# Altium PCB BB.PcbDoc (part 2 of 6) (continued)
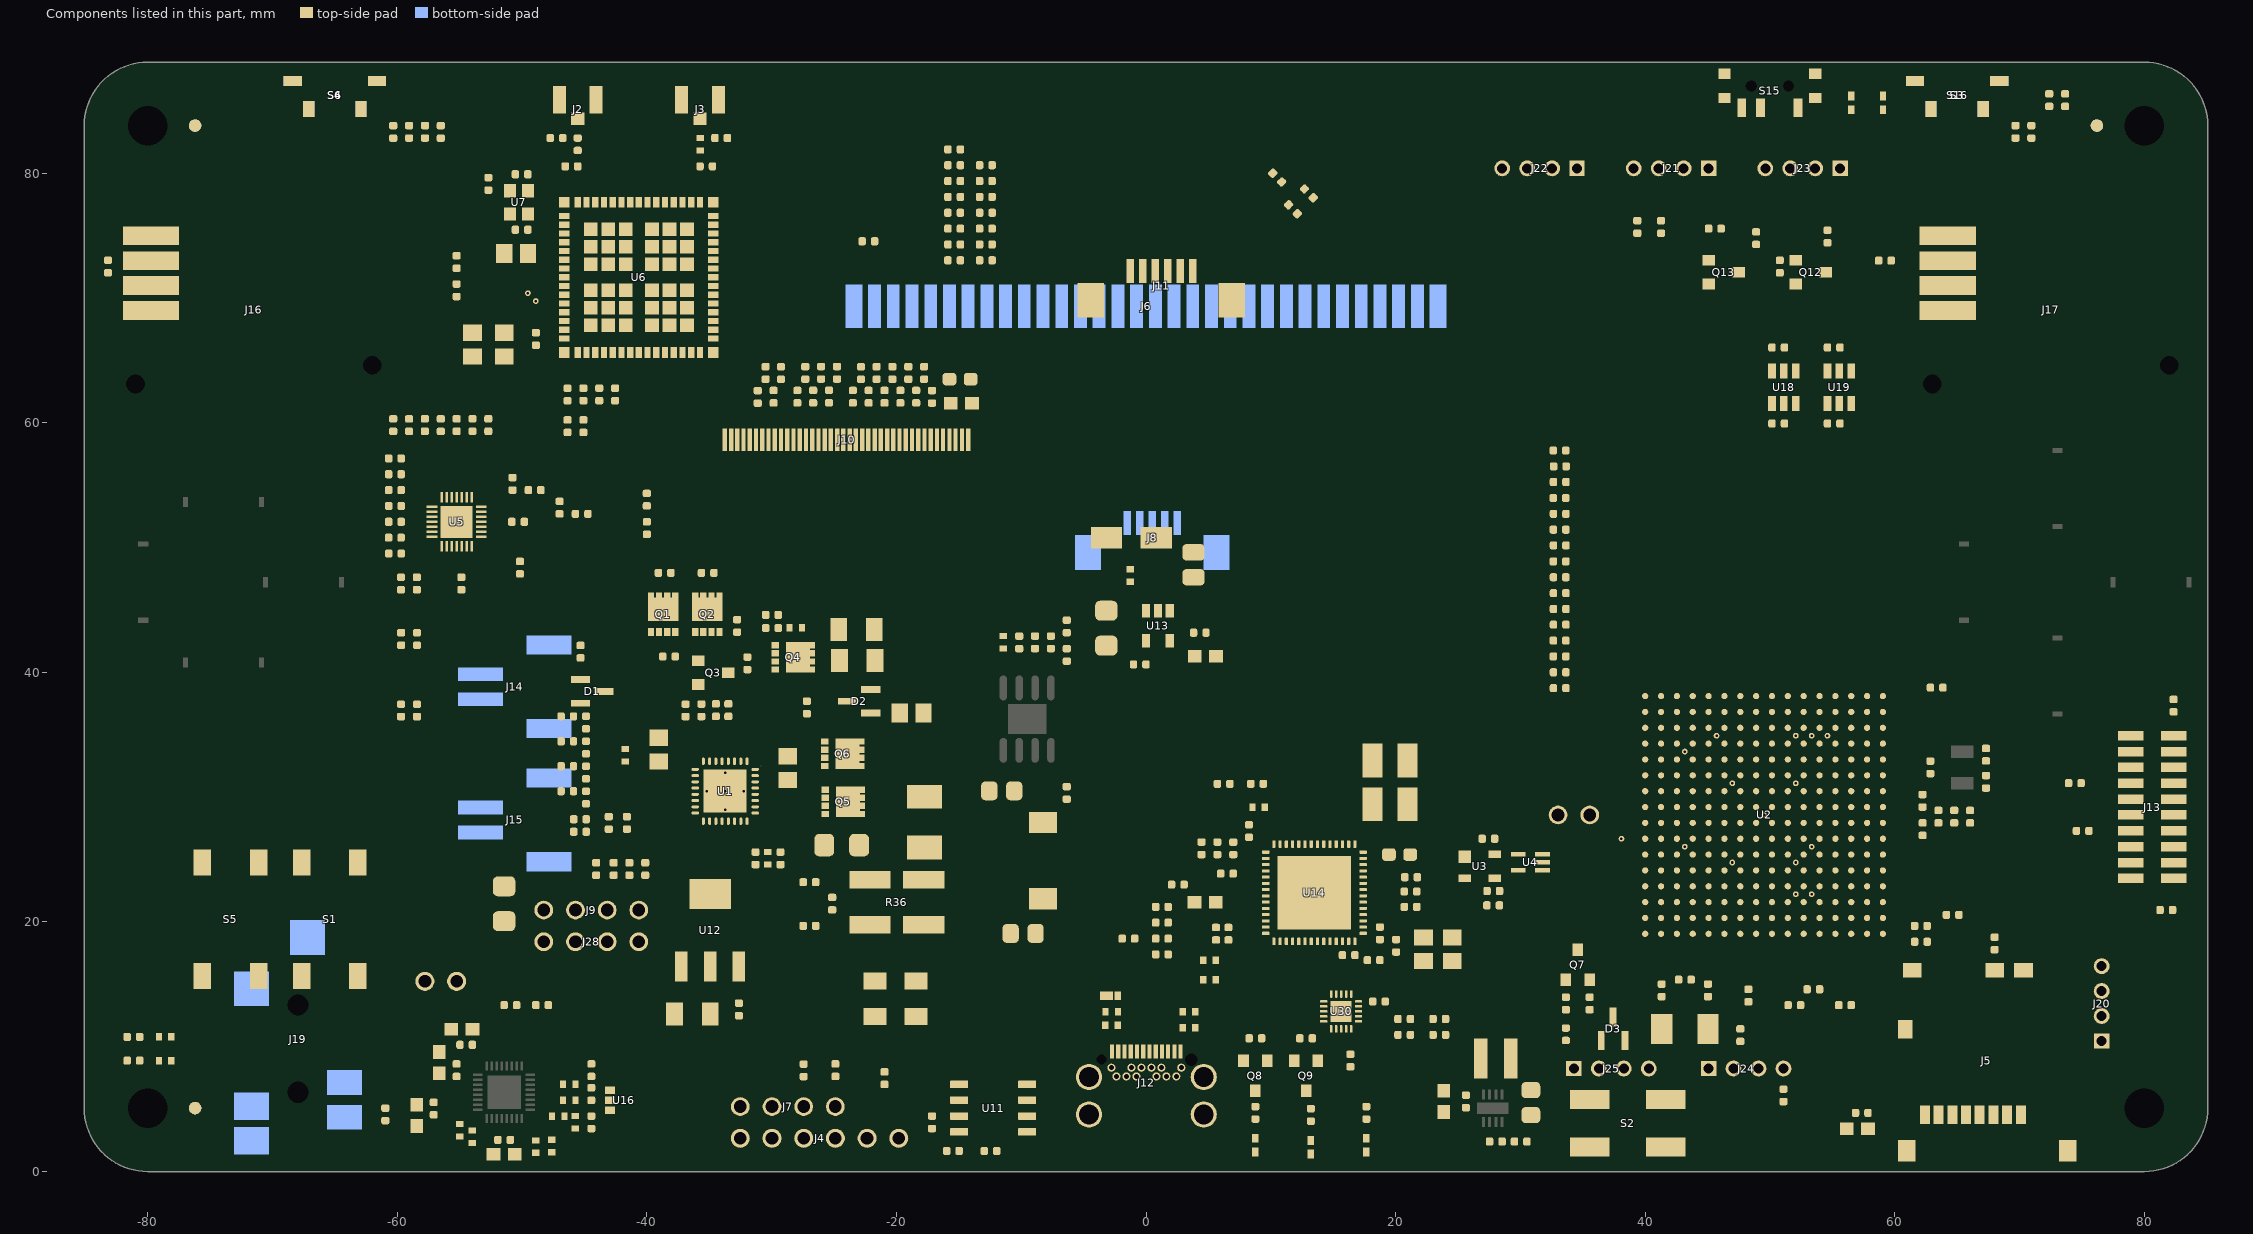
[diagram p4: the components of this part, seen from the top]
## Part data (continued)
C65 C66 C69 C70: library part C_0402_1000PF_50V, "CAP CER 1000PF 50V C0G 0402", Manufacturer="Murata Electronics North America", Manufacturer Part Number=GRM1555C1H102JA01D, Operating Temperature="-55°C ~ 125°C", Package / Case=0402, Ratings=-, Supplier Part Number 1=490-3244-1-ND, Temperature Coefficient=C0G, Tolerance=±5%, Voltage - Rated=50V, Applications="General Purpose", Capacitance=1000pF, Category=Capacitors, ComponentLink1Description=http://search.murata.co.jp/Ceramy/image/img/PDF/ENG/GRM1555C1H102JA01.pdf, ComponentLink1URL=http://search.murata.co.jp/Ceramy/image/img/PDF/ENG/GRM1555C1H102JA01.pdf, Features=-, Lead Spacing=-, Lead Style=-, Mounting Type="Surface Mount, MLCC", Packaging="Cut Tape (CT)", Pricing 1="10=0.073, 100=0.0429, 500=0.02476, 1000=0.01716 (USD)", RoHS="RoHS Compliant", Size / Dimension="0.040\" L x 0.020\" W (1.00mm x 0.50mm)", Stock 1=1327660, Supplier 1=Digi-Key, Thickness=0.50mm
C88 C89: library part C_1210_22µF, "CAP CER 22UF 25V 20% X5R 1210", Manufacturer="Taiyo Yuden", Manufacturer Part Number=TMK325BJ226MM-T, Operating Temperature="-55°C ~ 85°C", Package / Case=1210, Ratings=-, Supplier Part Number 1=587-2086-1-ND, Temperature Coefficient=X5R, Tolerance=±20%, Voltage - Rated=25V, Applications="General Purpose", Capacitance=22µF, Category=Capacitors, ComponentLink1Description=http://www.yuden.co.jp/productdata/catalog/en/mlcc01_e.pdf, ComponentLink1URL=http://www.yuden.co.jp/productdata/catalog/en/mlcc01_e.pdf, Features=-, Height - Seated (Max)=-, Lead Spacing=-, Lead Style=-, Mounting Type="Surface Mount, MLCC", Packaging="Cut Tape (CT)", Pricing="1=0.86, 10=0.731, 50=0.5382, 100=0.4278, 250=0.3588 (USD)", RoHS="RoHS Compliant", Size / Dimension="0.126\" L x 0.098\" W (3.20mm x 2.50mm)", Stock 1=53533, Supplier 1=Digi-Key, Thickness (Max)="0.106\" (2.70mm)"
C90: library part C_0603_4.7uF_10V, "CAP CER 4.7UF 10V X5R 0603", Case/Package=0603, Case Code (Metric)=1608, Dielectric=X5R, Manufacturer 1=Murata, Manufacturer Part Number 1=GRM188R6YA475KE15D, Max Operating Temperature=85°C, Min Operating Temperature=-55°C, Package Quantity=4000, Supplier Part Number 1=490-7205-6-ND, Tolerance=10%, Voltage=35V, Voltage - Rated=10V, Capacitance=4.7µF, Case Code (Imperial)=0603, ComponentLink1Description=http://search.murata.co.jp/Ceramy/image/img/A01X/G101/ENG/GRM188R61A475KE15-01.pdf, ComponentLink1URL=http://search.murata.co.jp/Ceramy/image/img/A01X/G101/ENG/GRM188R61A475KE15-01.pdf, ComponentLink2Description=https://datasheet.ciiva.com/46444/1769893-46444984.pdf, ComponentLink2URL=https://datasheet.ciiva.com/46444/1769893-46444984.pdf, ComponentLink3Description=https://datasheet.ciiva.com/46444/1769893-46444985.pdf, ComponentLink3URL=https://datasheet.ciiva.com/46444/1769893-46444985.pdf, ComponentLink4Description=https://datasheet.ciiva.com/14906/partnumbering-e-01-14906426.pdf, ComponentLink4URL=https://datasheet.ciiva.com/14906/partnumbering-e-01-14906426.pdf, ComponentLink5Description=https://datasheet.ciiva.com/14906/partnumbering-e-01-14906427.pdf, ComponentLink5URL=https://datasheet.ciiva.com/14906/partnumbering-e-01-14906427.pdf, ComponentLink6Description=https://datasheet.ciiva.com/14906/partnumbering-e-01-14906428.pdf, ComponentLink6URL=https://datasheet.ciiva.com/14906/partnumbering-e-01-14906428.pdf, Composition=Ceramic, Depth=0.8mm, Description 1="4.7µF ±10% 35V X5R Ceramic Capacitor -55°C ~ 85°C Surface Mount, MLCC 0603 (1608 Metric) 0.063\" L x 0.031\" W (1.60mm x 0.80mm)", Height=0.8mm, Lead Free="Lead Free", Length=1.6mm, Material=Ceramic, Mount="Surface Mount", Package / Case=0603, Packaging="Tape and Reel", Pricing 1="1=0.57, 10=0.397, 100=0.2381, 500=0.17854, 1000=0.15077 (USD)", REACH SVHC="No SVHC", Stock 1=0, Supplier 1=Digi-Key, Temperature Coefficient=X5R, Termination=SMD/SMT, Thickness=0.031inch, Voltage Rating=35V, Voltage Rating (DC)=35V, Weight=0.000222oz, Width=0.8mm
C105 C107 C109: library part C_0805_22µF_16V, "CAP CER 22UF 16V 10% X5R 0805", Case/Package=0805, Case Code (Metric)=2012, Manufacturer 1=Samsung, Manufacturer Part Number 1=CL21A226MOCLRNC, Max Operating Temperature=85°C, Min Operating Temperature=-55°C, Supplier Part Number 1=1276-6780-6-ND, Temperature Coefficient=X5R, Tolerance=20%, Voltage - Rated=16V, Capacitance=22µF, Case Code (Imperial)=0805, ComponentLink1Description=http://product.tdk.com/capacitor/mlcc/en/documents/mlcc_commercial_general_en.pdf, ComponentLink1URL=http://product.tdk.com/capacitor/mlcc/en/documents/mlcc_commercial_general_en.pdf, ComponentLink2Description=http://www.samsungsem.com/kr/support/product-search/mlcc/CL21A226MOCLRNC.jsp, ComponentLink2URL=http://www.samsungsem.com/kr/support/product-search/mlcc/CL21A226MOCLRNC.jsp, Description 1="22µF 16V Ceramic Capacitor X5R 0805 (2012 Metric) 0.079\" L x 0.049\" W (2.00mm x 1.25mm)", Length=0.079inch, Mount="Surface Mount", Package / Case=0805, Packaging="Tape and Reel", Pricing 1="1=0.33, 10=0.227, 100=0.1288, 500=0.09094, 1000=0.07956 (USD)", Stock 1=40000, Supplier 1=Digi-Key, Thickness=0.037inch, Voltage Rating=16V, Width=0.049inch
C108: library part C_0402_10PF_50V, "CAP CER 10PF 50V NP0 0402", Manufacturer="Taiyo Yuden", Manufacturer Part Number=UMK105CG100DV-F, Operating Temperature="-55°C ~ 125°C", Package / Case=0402, Ratings=-, Supplier Part Number 1=587-1947-1-ND, Temperature Coefficient=C0G, Tolerance=.5pF, Voltage - Rated=50V, Applications="General Purpose", Capacitance=10pF, Category=Capacitors, ComponentLink1Description=http://www.yuden.co.jp/productdata/catalog/en/mlcc02_e.pdf, ComponentLink1URL=http://www.yuden.co.jp/productdata/catalog/en/mlcc02_e.pdf, Features=-, Height - Seated (Max)=-, Lead Spacing=-, Lead Style=-, Mounting Type="Surface Mount, MLCC", Packaging="Cut Tape (CT)", Pricing="1=0.07, 10=0.045, 50=0.0216, 100=0.0162, 250=0.01172, 500=0.00864, 1000=0.00585, 5000=0.0045 (USD)", RoHS="RoHS Compliant", Size / Dimension="0.039\" L x 0.020\" W (1.00mm x 0.50mm)", Stock 1=47289, Supplier 1=Digi-Key, Thickness (Max)="0.022\" (0.55mm)"
C111: "CAP CER 8200PF 50V X7R 0402", Capacitance=8200pF, Case/Package=0402, Case Code (Metric)=1005, Dielectric=X7R, Manufacturer 1=Samsung, Manufacturer Part Number 1=CL05B822KB5NNNC, Max Operating Temperature=125°C, Min Operating Temperature=-55°C, Package Quantity=1, Supplier Part Number 1=1276-1591-6-ND, Tolerance=10%, Voltage=50V, Case Code (Imperial)=0402, ComponentLink1Description=http://www.murata.com/~/media/webrenewal/support/library/catalog/products/capacitor/mlcc/c02e.ashx, ComponentLink1URL=http://www.murata.com/~/media/webrenewal/support/library/catalog/products/capacitor/mlcc/c02e.ashx, ComponentLink2Description=https://datasheet.ciiva.com/16207/cl05b104kq5nnnc-16207576.pdf, ComponentLink2URL=https://datasheet.ciiva.com/16207/cl05b104kq5nnnc-16207576.pdf, ComponentLink3Description=https://datasheet.ciiva.com/15195/getdatasheetpartid-464695-15195658.pdf, ComponentLink3URL=https://datasheet.ciiva.com/15195/getdatasheetpartid-464695-15195658.pdf, ComponentLink4Description=https://datasheet.ciiva.com/29198/458804-da-01-en-vs-kondensator-0402-29198438.pdf, ComponentLink4URL=https://datasheet.ciiva.com/29198/458804-da-01-en-vs-kondensator-0402-29198438.pdf, Depth=0.5mm, Description 1="Cap Ceramic 0.0082uF 50V X7R 10% SMD 0402 125C T/R", Height=0.5mm, Lead Free="Lead Free", Length=1mm, Material=Ceramic, Mount="Surface Mount", Package / Case=0402, Packaging="Tape and Reel", Pricing 1="1=0.1, 10=0.037, 100=0.0164, 500=0.01168, 1000=0.00918, 2500=0.00834, 5000=0.00768 (USD)", Radiation Hardening=No, Stock 1=102323, Supplier 1=Digi-Key, Temperature Coefficient=X7R, Thickness=0.022inch, Voltage - Rated=50V, Voltage Rating=50V, Voltage Rating (DC)=50V, Width=0.02inch
C121 C122 C123 C124: library part C_0402_10000PF_50V, "CAP CERAMIC .01UF 50V X7R 0402", Capacitance=.01µF, Manufacturer="Murata Electronics North America", Manufacturer Part Number=GRM155R71H103KA88D, Operating Temperature="-55°C ~ 125°C", Package / Case=0402, Ratings=-, Supplier Part Number 1=490-4516-1-ND, Temperature Coefficient=X7R, Tolerance=±10%, Voltage - Rated=50V, Applications="General Purpose", Category=Capacitors, ComponentLink1Description=http://www.murata.com/~/media/webrenewal/support/library/catalog/products/capacitor/mlcc/c02e.ashx, ComponentLink1URL=http://www.murata.com/~/media/webrenewal/support/library/catalog/products/capacitor/mlcc/c02e.ashx, Features=-, Height - Seated (Max)=-, Lead Spacing=-, Lead Style=-, Mounting Type="Surface Mount, MLCC", Packaging="Cut Tape (CT)", Part Status=Active, Pricing 1="1=0.1, 50=0.0052, 100=0.0044, 250=0.00364, 500=0.00312, 1000=0.00242, 5000=0.00202 (USD)", RoHS="RoHS Compliant", Size / Dimension="0.039\" L x 0.020\" W (1.00mm x 0.50mm)", Stock 1=7255009, Supplier 1=Digi-Key, Thickness (Max)="0.022\" (0.55mm)"
CR1: "Imported", Case/Package=SMD/SMT, ESR (Equivalent Series Resistance)=50R, Frequency=24MHz, Frequency Stability=30ppm, Load Capacitance=18pF, Manufacturer 1=TXC, Manufacturer_Part_Number=7A-24.000MAAJ-T, Max Operating Temperature=70°C, Min Operating Temperature=-40°C, Package Quantity=1000, Supplier Part Number 1=887-1090-1-ND, Built_By=EMA_UL_Team, C="Copyright (C) 2015 Accelerated Designs. All rights reserved", ComponentLink1Description=https://datasheet.ciiva.com/46431/1041607-46431974.pdf, ComponentLink1URL=https://datasheet.ciiva.com/46431/1041607-46431974.pdf, ComponentLink2Description=https://datasheet.ciiva.com/854/7a-854775.pdf, ComponentLink2URL=https://datasheet.ciiva.com/854/7a-854775.pdf, ComponentLink3Description=https://datasheet.ciiva.com/854/7a-854776.pdf, ComponentLink3URL=https://datasheet.ciiva.com/854/7a-854776.pdf, ComponentLink4Description=https://datasheet.ciiva.com/854/7a-854777.pdf, ComponentLink4URL=https://datasheet.ciiva.com/854/7a-854777.pdf, ComponentLink5Description=https://datasheet.ciiva.com/1356/1041607-1356396.pdf, ComponentLink5URL=https://datasheet.ciiva.com/1356/1041607-1356396.pdf, Depth=3.2mm, Description 1="CRYSTAL 24.000MHZ 18PF SMD", Frequency Tolerance=30ppm, Height=0.053inch, Lead Free="Lead Free", Length=5mm, Manufacturer Part Number 1=7A-24.000MAAJ-T, Mount="Surface Mount", Number of Pins=2, Packaging="Tape and Reel", Pricing 1="1=0.72, 10=0.633, 50=0.5912, 100=0.5225, 500=0.495 (USD)", REACH SVHC="No SVHC", RefDes=RefDes, Stock 1=70918, Supplier 1=Digi-Key, Termination=SMD/SMT, Tolerance=30ppm, Type=DEV, Vendor=TXC, Width=3.2mm
D1 D2: library part D_SCHOTT_BAT54WFILM, "DIODE SCHOTTKY 40V 300MA SOT-23", Average Rectified Current=300mA, Capacitance=10pF, Case/Package=SOT-323, Forward Voltage=900mV, Manufacturer 1=STMicroelectronics, Manufacturer Part Number 1=BAT54WFILM, Max Forward Surge Current (Ifsm)=1A, Max Operating Temperature=150°C, Max Repetitive Reverse Voltage (Vrrm)=40V, Max Reverse Leakage Current=1uA, Min Operating Temperature=-40°C, Package / Case=SOT-23-3, Package Quantity=1, Supplier Part Number 1=497-2530-6-ND, Voltage - Forward (Vf) (Max) @ If="900mV @ 100mA", Voltage Rating (DC)=30V, ComponentLink1Description=http://www.fairchildsemi.com/ds/BA/BAT54.pdf, ComponentLink1URL=http://www.fairchildsemi.com/ds/BA/BAT54.pdf, ComponentLink2Description=https://datasheet.ciiva.com/4714/cd00001322-105648-4714481.pdf, ComponentLink2URL=https://datasheet.ciiva.com/4714/cd00001322-105648-4714481.pdf, ComponentLink3Description=https://datasheet.ciiva.com/15144/getdatasheetpartid-39206-15144069.pdf, ComponentLink3URL=https://datasheet.ciiva.com/15144/getdatasheetpartid-39206-15144069.pdf, ComponentLink4Description=https://datasheet.ciiva.com/915/cd00001322-915500.pdf, ComponentLink4URL=https://datasheet.ciiva.com/915/cd00001322-915500.pdf, ComponentLink5Description=https://datasheet.ciiva.com/915/cd00001322-915501.pdf, ComponentLink5URL=https://datasheet.ciiva.com/915/cd00001322-915501.pdf, ComponentLink6Description=https://datasheet.ciiva.com/915/cd00001322-915502.pdf, ComponentLink6URL=https://datasheet.ciiva.com/915/cd00001322-915502.pdf, Current - Average Rectified (Io)=300mA, Current Rating=300mA, Description 1="DIODE SCHOTTKY 40V 300MA SOT323", Element Configuration=Single, Forward Current=300mA, Height=1.1mm, Lead Free="Lead Free", Length=2mm, Max Reverse Voltage (DC)=40V, Max Surge Current=1A, Mount="Surface Mount", Number of Pins=3, Output Current=300mA, Packaging="Tape and Reel", Peak Non-Repetitive Surge Current=1A, Peak Reverse Current=1uA, Polarity=Standard, Pricing 1="1=0.38, 10=0.286, 100=0.1617, 500=0.10706, 1000=0.08209 (USD)", Radiation Hardening=No, Recovery Time=5ns, Reverse Recovery Time=5ns, Stock 1=16371, Supplier 1=Digi-Key, Voltage - DC Reverse (Vr) (Max)=40V, Width=1.25mm
D3: "IC VREF SHUNT ADJ SOT23-3", Case/Package=SOT-23, Cathode Current=100uA, Manufacturer="Texas Instruments", Manufacturer_Part_Number=TLVH431AIDBZR, Max Input Voltage=20V, Max Operating Temperature=125°C, Max Output Current=80mA, Max Output Voltage=18V, Min Operating Temperature=-40°C, Output Current=70mA, Package Quantity=1, Supplier Part Number 1=296-17970-6-ND, Temperature Coefficient=129ppm/°C, Tolerance=1%, Built_By=EMA_UL_Team, C="Copyright (C) 2015 Accelerated Designs. All rights reserved", ComponentLink1Description=https://datasheet.ciiva.com/8055/1772203-8055424.pdf, ComponentLink1URL=https://datasheet.ciiva.com/8055/1772203-8055424.pdf, ComponentLink2Description=https://datasheet.ciiva.com/3236/tlvh432b-3236469.pdf, ComponentLink2URL=https://datasheet.ciiva.com/3236/tlvh432b-3236469.pdf, ComponentLink3Description=https://datasheet.ciiva.com/2006/tlvh431a-2006475.pdf, ComponentLink3URL=https://datasheet.ciiva.com/2006/tlvh431a-2006475.pdf, ComponentLink4Description=https://datasheet.ciiva.com/2006/tlvh431a-2006476.pdf, ComponentLink4URL=https://datasheet.ciiva.com/2006/tlvh431a-2006476.pdf, ComponentLink5Description=https://datasheet.ciiva.com/2006/tlvh431a-2006477.pdf, ComponentLink5URL=https://datasheet.ciiva.com/2006/tlvh431a-2006477.pdf, ComponentLink6Description=https://datasheet.ciiva.com/3235/tlvh432b-3235662.pdf, ComponentLink6URL=https://datasheet.ciiva.com/3235/tlvh432b-3235662.pdf, Description 1="IC VREF SHUNT ADJ SOT23-3", Lead Free="Lead Free", Manufacturer 1="Texas Instruments", Manufacturer Part Number 1=TLVH431AIDBZR, Number of Channels=1, Number of Pins=3, Output Voltage=18V, Packaging="Tape and Reel", Pricing 1="1=0.75, 10=0.659, 100=0.5055, 500=0.39964, 1000=0.31971 (USD)", Radiation Hardening=No, REACH SVHC="No SVHC", RefDes=RefDes, Reference Type=Shunt,Adjustable, Reference Voltage=18V, Stock 1=8302, Supplier 1=Digi-Key, Type=DEV, Vendor="Texas Instruments"
D4: library part D_SCHOTT_B1100-13-F, "DIODE SCHOTTKY 100V 1A SMA", Capacitance @ Vr, F="80pF @ 4V, 1MHz", Current - Average Rectified (Io)=1A, Current - Reverse Leakage @ Vr="500µA @ 100V", Manufacturer="Diodes Inc", Package / Case=DO-214AC, Supplier Device Package=SMA, Supplier Part Number 1=B1100-FDICT-ND, Voltage - DC Reverse (Vr) (Max)=100V, Voltage - Forward (Vf) (Max) @ If="790mV @ 1A", Category="Discrete Semiconductor Products", ComponentLink1Description=http://www.diodes.com/datasheets/ds30018.pdf, ComponentLink1URL=http://www.diodes.com/datasheets/ds30018.pdf, Diode Type=Schottky, Manufacturer Part Number=B1100-13-F, Mounting Type="Surface Mount", Packaging="Cut Tape (CT)", Pricing="1=0.57, 10=0.4, 25=0.3288, 100=0.2627, 250=0.1914, 500=0.15544, 1000=0.11948, 2500=0.1073 (USD)", Reverse Recovery Time (trr)=-, RoHS="RoHS Compliant", Speed="Fast Recovery =< 500ns, > 200mA (Io)", Stock 1=109264, Supplier 1=Digi-Key
D7: "Diode Schottky 30V 2A (DC) Surface Mount 2-DSN (1.6x.80)", Average Rectified Current=2A, Case/Package=0603, Forward Voltage=480mV, Manufacturer="ON Semiconductor", Manufacturer Part Number=NSR20F20NXT5G, Max Forward Surge Current (Ifsm)=28A, Max Operating Temperature=150°C, Max Power Dissipation=1.75W, Max Repetitive Reverse Voltage (Vrrm)=30V, Max Reverse Leakage Current=150uA, Min Operating Temperature=-40°C, Package Quantity=1, Supplier Part Number 1=NSR20F30NXT5GOSDKR-ND, ComponentLink1Description=https://datasheet.ciiva.com/22663/nsr20f30-d-22663701.pdf, ComponentLink1URL=https://datasheet.ciiva.com/22663/nsr20f30-d-22663701.pdf, ComponentLink2Description=https://datasheet.ciiva.com/4714/nsr20f30-118998-4714087.pdf, ComponentLink2URL=https://datasheet.ciiva.com/4714/nsr20f30-118998-4714087.pdf, ComponentLink3Description=https://datasheet.ciiva.com/16474/nsr20f30-d-16474535.pdf, ComponentLink3URL=https://datasheet.ciiva.com/16474/nsr20f30-d-16474535.pdf, ComponentLink4Description=https://datasheet.ciiva.com/915/nsr20f30-d-915929.pdf, ComponentLink4URL=https://datasheet.ciiva.com/915/nsr20f30-d-915929.pdf, ComponentLink5Description=https://datasheet.ciiva.com/915/nsr20f30-d-915930.pdf, ComponentLink5URL=https://datasheet.ciiva.com/915/nsr20f30-d-915930.pdf, ComponentLink6Description=https://datasheet.ciiva.com/915/nsr20f30-d-915931.pdf, ComponentLink6URL=https://datasheet.ciiva.com/915/nsr20f30-d-915931.pdf, Element Configuration=Single, Forward Current=2A, Lead Free="Lead Free", Max Surge Current=28A, Number of Pins=2, Packaging="Tape and Reel", Peak Non-Repetitive Surge Current=28A, Peak Reverse Current=150uA, Pricing 1="1=0.57, 10=0.458, 100=0.3118, 500=0.2339, 1000=0.1754 (USD)", Radiation Hardening=No, REACH SVHC="No SVHC", Reverse Voltage (DC)=30V, Stock 1=24771, Supplier 1=Digikey
F1 F2 F3: library part F_FUDICIAL
J1: "CONN HEADER .100\" 2POS TIN PCB", Color=Black, Manufacturer=Samtec, Manufacturer Part Number=TSW-102-07-T-S, Category="Connectors, Interconnects", ComponentLink1Description=http://www.samtec.com/ftppub/pdf/TD.PDF, ComponentLink1URL=http://www.samtec.com/ftppub/pdf/TD.PDF, Connector Type=Unshrouded, Contact Finish=Tin, Contact Finish Thickness="200µin (5.08µm)", Contact Mating Length="0.166\" (4.22mm)", Features=-, Height Stacking (Mating)=-, Molding Height Above Board="0.100\" (2.54mm)", Mounting Type="Through Hole", NOTE="This is a 1X12 header", Number of Positions=2, Number of Positions Loaded=All, Number of Rows=1, Pitch="0.100\" (2.54mm)", RoHS="RoHS Compliant", Row Spacing=-, Supplier 1=Samtec, Supplier Part Number 1=TSW-102-07-T-S, Termination=Solder
J2 J3: library part J_U.FL-R-SMT-1, "CONN UMC JACK STR 50 OHM SMD", Dielectric Material=Polymer, Frequency=6GHz, Housing Colour=Beige, Insulation Resistance=500MR, Manufacturer 1=Hirose, Max Operating Temperature=90°C, Min Operating Temperature=-40°C, Package Quantity=2500, Supplier Part Number 1=H11891DKR-ND, Body Material=Bronze, Body Plating=Silver, ComponentLink1Description=https://datasheet.ciiva.com/7651/91524-7651914.pdf, ComponentLink1URL=https://datasheet.ciiva.com/7651/91524-7651914.pdf, ComponentLink2Description=https://datasheet.ciiva.com/11762/0900766b8105243f-11762474.pdf, ComponentLink2URL=https://datasheet.ciiva.com/11762/0900766b8105243f-11762474.pdf, ComponentLink3Description=https://datasheet.ciiva.com/7651/91524-7651915.pdf, ComponentLink3URL=https://datasheet.ciiva.com/7651/91524-7651915.pdf, Connector Type="Receptacle,Coaxial,Male Pin", Contact Material=Bronze,Brass, Contact Plating=Gold, Depth=3.1mm, Description 1="CONN UMC JACK STR 50 OHM SMD", DeviceSetName=U.FL-R-SMT-1, Fastening Type=Snap, GateName_1=G$1, Gender=Male, Impedance=50R, Lead Free="Lead Free", Length=3mm, LibraryName=GHI-Connectors, Manufacturer Part Number 1=U.FL-R-SMT-1(10), Max Frequency=6GHz, Mount="Surface Mount,Through Hole,PCB", Orientation=Straight, Packaging="Tape and Reel", Pricing 1="1=1.31, 10=1.15, 25=1.0824, 50=1.0374, 100=0.9922, 250=0.902, 500=0.8118, 1000=0.7216 (USD)", Radiation Hardening=No, REACH SVHC="No SVHC", Stock 1=382010, Supplier 1=Digi-Key, SymbolName_1=U.FL-R-SMT-1, Termination=Solder, Wire/Cable Type=Coaxial
J4: "CONN HEADER .100\" 12POS TIN PCB", Color=Black, Manufacturer=Samtec, Manufacturer Part Number=TSW-106-07-T-S, Category="Connectors, Interconnects", ComponentLink1Description=http://www.samtec.com/ftppub/cpdf/TX-MKT1.PDF, ComponentLink1URL=http://www.samtec.com/ftppub/cpdf/TX-MKT1.PDF, ComponentLink2Description=http://www.samtec.com/ftppub/pdf/TD.PDF, ComponentLink2URL=http://www.samtec.com/ftppub/pdf/TD.PDF, Connector Type=Unshrouded, Contact Finish=Tin, Contact Finish Thickness="200µin (5.08µm)", Contact Mating Length="0.166\" (4.22mm)", Features=-, Height Above Board="0.100\" (2.54mm)", Height Stacking (Mating)=-, Molding Height Above Board="0.100\" (2.54mm)", Mounting Type="Through Hole", Number of Positions=6, Number of Positions Loaded=All, Number of Rows=1, Packaging=Bulk, Pitch="0.100\" (2.54mm)", Pricing=1=0.201, RoHS="RoHS Compliant", Row Spacing=-, Stock 1=0, Supplier 1=Samtec, Supplier Part Number 1=TSW-106-07-T-S, Termination=Solder
J5: library part J_MICRO_SD, "CONN MICRO SD R/A PUSH-PUSH SMD", Manufacturer="Molex Inc", Manufacturer Part Number=502570-0893, Supplier Part Number 1=WM19093CT-ND, Card Type="Secure Digital - microSD™ TransFlash", Category="Connectors, Interconnects", ComponentLink1Description=http://www.molex.com/pdm_docs/sd/5025700893_sd.pdf, ComponentLink1URL=http://www.molex.com/pdm_docs/sd/5025700893_sd.pdf, Connector Type="Connector and Ejector", Contact Finish=Gold, Contact Finish Thickness="20µin (0.51µm)", Ejector Side=-, Features=Switch, Height Above Board="0.071\" (1.80mm)", Insertion, Removal Method="Push In, Push Out", Mounting Feature="Normal, Standard - Top", Mounting Type="Surface Mount, Right Angle", Number of Positions="10 (8 + 2)", Packaging="Cut Tape (CT)", Pricing="1=2.93, 25=2.5456, 50=2.2908, 100=2.0363, 250=1.8512, 500=1.72394 (USD)", RoHS="RoHS Compliant", Stock 1=9524, Supplier 1=Digi-Key
J6: library part J_GB_CART, Manufacturer 1=Amazon, DeviceName=1, DeviceSetName=GB_CART, LibraryName=alex, Manufacturer Part Number 1=https://smile.amazon.com/Replacement-Cartridge-Card-Reader-Repair-Nintendo/dp/B077FV5W1L/ref=smi_ge_cnf_cnf_smi?_encoding=UTF8&adFormat=grid&adId=B077FV5W1L&adMode=auto&adType=smart&creativeASIN=B077FV5W1L&ie=UTF8&imprToken=YMtJVGSB8f0LFilQNy7ahg&impressionTimestamp=1529762984662&linkCode=w41&linkId=45a1439b5f48b7417e3978fa0774d918&pldnNewCustomer=1&ref-refURL=https%3A%2F%2Fhandheldlegend.com%2Fproducts%2Fgame-boy-cartridge-slot&slotNum=0&tag=hanhelleg-20, SymbolName_1=GB_CART
J7 J9 J28: "CONN HEADER .100\" 4POS TIN PCB", Color=Black, Manufacturer=Samtec, Manufacturer Part Number=TSW-104-07-T-S, Category="Connectors, Interconnects", ComponentLink1Description=http://www.samtec.com/ftppub/cpdf/TX-MKT1.PDF, ComponentLink1URL=http://www.samtec.com/ftppub/cpdf/TX-MKT1.PDF, Connector Type=Unshrouded, Contact Finish=Tin, Contact Finish Thickness="200µin (5.08µm)", Contact Mating Length="0.166\" (4.22mm)", Features=-, Height Above Board="0.100\" (2.54mm)", Height Stacking (Mating)=-, Mounting Type="Through Hole", Number of Positions=4, Number of Positions Loaded=All, Number of Rows=1, Packaging=Bulk, Pitch="0.100\" (2.54mm)", Pricing=1=0.134, RoHS="RoHS Compliant", Row Spacing=-, Supplier 1=Samtec, Supplier Part Number 1=TSW-104-07-T-S, Termination=Solder
J8: "CONN FPC BOTTOM 5POS 1.00MM R/A", Current Rating=500mA, Flammability Rating="UL94 V-0", Manufacturer 1=Molex, Manufacturer Part Number 1=52271-0579, Max Operating Temperature=85°C, Min Operating Temperature=-40°C, Package Quantity=1000, Supplier Part Number 1=WM10965DKR-ND, Voltage Rating=50V, ComponentLink1Description=http://www.molex.com/pdm_docs/sd/522710479_sd.pdf, ComponentLink1URL=http://www.molex.com/pdm_docs/sd/522710479_sd.pdf, ComponentLink2Description=https://datasheet.ciiva.com/5138/0522710579-ffc-fpc-connectors-170590-5138801.pdf, ComponentLink2URL=https://datasheet.ciiva.com/5138/0522710579-ffc-fpc-connectors-170590-5138801.pdf, ComponentLink3Description=https://datasheet.ciiva.com/11745/0900766b80d5c6cd-11745528.pdf, ComponentLink3URL=https://datasheet.ciiva.com/11745/0900766b80d5c6cd-11745528.pdf, Contact Location=Bottom, Contact Material=Bronze, Contact Plating=Nickel,Tin, Description 1="FFC & FPC Connectors 1MM FFC/FPC CONN 5CKT", ELV=Compliant, Gender=Female, Housing Material=Nylon, Material=Bronze, Number of Circuits=5, Number of Contacts=5, Number of Positions=144, Number of Rows=1, Orientation="Right Angle", Packaging="Tape and Reel", Pitch=1mm, Pricing 1="1=0.92, 10=0.806, 25=0.7588, 50=0.7272, 100=0.6955, 250=0.63228, 500=0.56906 (USD)", REACH SVHC="No SVHC", Stackable=No, Stock 1=3597, Supplier 1=Digi-Key, Termination=Solder, Wire/Cable Type="Flat Flex"
J10: library part J_FPC_MOLEX_40POS, "CONN FFC/FPC .50MM 40POS R/A SMD", Colour=Black, Contact Resistance=20mR, Current Rating=500mA, Flammability Rating="UL94 V-0", Manufacturer 1=Molex, Manufacturer Part Number 1=54132-4062, Max Operating Temperature=85°C, Min Operating Temperature=-20°C, Package Quantity=1500, Supplier Part Number 1=WM3436DKR-ND, Voltage Rating=50V, ComponentLink1Description=http://www.molex.com/pdm_docs/sd/541324097_sd.pdf, ComponentLink1URL=http://www.molex.com/pdm_docs/sd/541324097_sd.pdf, ComponentLink2Description=https://datasheet.ciiva.com/10366/0541324062-ffc-fpc-connectors-10366848.pdf, ComponentLink2URL=https://datasheet.ciiva.com/10366/0541324062-ffc-fpc-connectors-10366848.pdf, ComponentLink3Description=https://datasheet.ciiva.com/5136/0541324062-ffc-fpc-connectors-143955-5136808.pdf, ComponentLink3URL=https://datasheet.ciiva.com/5136/0541324062-ffc-fpc-connectors-143955-5136808.pdf, ComponentLink4Description=https://datasheet.ciiva.com/11745/0900766b80d5d226-11745087.pdf, ComponentLink4URL=https://datasheet.ciiva.com/11745/0900766b80d5d226-11745087.pdf, Contact Location=Bottom, Contact Material=Bronze, Contact Plating=Nickel,Gold, Description 1="FFC & FPC Connectors 0.5 FPC Hsg AssyBtmW /AuPlt40CktEmbsTpPkg", ELV=Compliant, Gender=Female, Housing Material=Thermoplastic, Lead Free="Lead Free", Material=Bronze, Mating Cycles=20, Number of Circuits=40, Number of Contacts=40, Number of Positions=40, Number of Rows=1, Orientation="Right Angle", Packaging="Tape and Reel", Pitch=0.5mm, Pricing 1="1=2.05, 10=1.861, 25=1.7472, 50=1.6712, 100=1.5953, 250=1.44336, 500=1.3294 (USD)", Radiation Hardening=No, REACH SVHC="No SVHC", Stackable=No, Stock 1=18264, Supplier 1=Digi-Key, Termination=Solder
J11: "CONN FFC FPC TOP 6POS 1.00MM R/A", Contact Resistance=20mR, Current Rating=1A, Flammability Rating="UL94 V-0", Housing Colour=Natural, Manufacturer 1=Molex, Manufacturer Part Number 1=52207-0660, Max Operating Temperature=85°C, Min Operating Temperature=-30°C, Package Quantity=1000, Supplier Part Number 1=WM10939DKR-ND, Voltage Rating=125V, ComponentLink1Description=http://www.molex.com/pdm_docs/sd/522710479_sd.pdf, ComponentLink1URL=http://www.molex.com/pdm_docs/sd/522710479_sd.pdf, ComponentLink2Description=https://datasheet.ciiva.com/16658/0522070660-ffc-fpc-connectors-16658853.pdf, ComponentLink2URL=https://datasheet.ciiva.com/16658/0522070660-ffc-fpc-connectors-16658853.pdf, ComponentLink3Description=https://datasheet.ciiva.com/1438/522071060-sd-1438423.pdf, ComponentLink3URL=https://datasheet.ciiva.com/1438/522071060-sd-1438423.pdf, ComponentLink4Description=https://datasheet.ciiva.com/26929/getdatasheetpartid-761355-26929848.pdf, ComponentLink4URL=https://datasheet.ciiva.com/26929/getdatasheetpartid-761355-26929848.pdf, ComponentLink5Description=https://datasheet.ciiva.com/5137/0522070660-ffc-fpc-connectors-149417-5137997.pdf, ComponentLink5URL=https://datasheet.ciiva.com/5137/0522070660-ffc-fpc-connectors-149417-5137997.pdf, ComponentLink6Description=https://datasheet.ciiva.com/11745/0900766b80d6d4e7-11745263.pdf, ComponentLink6URL=https://datasheet.ciiva.com/11745/0900766b80d6d4e7-11745263.pdf, Contact Material=Bronze, Contact Plating=Nickel,Gold, Depth=8.9mm, Description 1="CONNECTOR, FPC, 1.0MM, 6WAY", ELV=Compliant, Gender=Receptacle, Housing Material=Nylon, Length=13.9mm, Material=Bronze, Number of Circuits=6, Number of Contacts=6, Number of Positions=6, Number of Rows=1, Orientation="Right Angle", Packaging="Tape and Reel", Pitch=1mm, Pricing 1="1=0.94, 10=0.828, 25=0.7796, 50=0.7472, 100=0.7146, 250=0.64968, 500=0.5847 (USD)", REACH SVHC=Unknown, Stackable=No, Stock 1=5020, Supplier 1=Digi-Key, Termination=SMD/SMT
J12: "CONN RCPT USB C TOP MNT HYBRID", Manufacturer="JAE Electronics", Manufacturer Part Number=DX07S024XJ1R1100, Supplier Part Number 1=670-2848-1-ND, Category="Connectors, Interconnects", ComponentLink1Description=http://media.digikey.com/pdf/Data%20Sheets/JAE%20PDFs/DX07S024XJ1_Dwg.pdf, ComponentLink1URL=http://media.digikey.com/pdf/Data%20Sheets/JAE%20PDFs/DX07S024XJ1_Dwg.pdf, Connector Type="USB - C", Features="Board Guide", Gender=Receptacle, Ingress Protection=-, Mounting Type="Surface Mount, Right Angle; Through Hole", Number of Contacts=24, Packaging="Cut Tape (CT)", Part Status=Active, Pricing 1="1=2.85, 10=2.587, 25=2.4288, 50=2.3232, 100=2.2176, 250=2.0064, 500=1.848 (USD)", RoHS="RoHS Compliant", Specifications="USB 3.1, Superspeed+", Stock 1=1709, Supplier 1=Digi-Key
J13: "CONN RECEPT 20POS DUAL SMD", Color=-, Manufacturer=FCI, Manufacturer Part Number=20021321-00020C4LF, Supplier Part Number 1=609-3709-1-ND, Category="Connectors, Interconnects", ComponentLink1Description=http://portal.fciconnect.com/res/en/pdffiles/doc_search/20021321.pdf, ComponentLink1URL=http://portal.fciconnect.com/res/en/pdffiles/doc_search/20021321.pdf, Connector Type=Receptacle, Contact Finish=Gold, Contact Finish Thickness="10µin (0.25µm)", Features=-, Height Above Board="0.177\" (4.50mm)", Height Stacking (Mating)=-, Mounting Type="Surface Mount", Number of Positions=20, Number of Positions Loaded=All, Number of Rows=2, Packaging="Cut Tape (CT)", Pitch="0.050\" (1.27mm)", Pricing="1=2.55, 25=1.46, 100=1.2954 (USD)", RoHS="RoHS Compliant", Row Spacing="0.050\" (1.27mm)", Stock 1=6018, Supplier 1=Digi-Key, Termination=Solder
J14 J15: "CONN HEADER PH SIDE 2POS 2MM SMD", Color=Natural, Manufacturer="JST Sales America Inc", Manufacturer Part Number=S2B-PH-SM4-TB(LF)(SN), Supplier Part Number 1=455-1749-1-ND, Category="Connectors, Interconnects", ComponentLink1Description=http://www.jst-mfg.com/product/pdf/eng/ePH.pdf, ComponentLink1URL=http://www.jst-mfg.com/product/pdf/eng/ePH.pdf, Connector Type="Header, Shrouded", Contact Finish=Tin, Contact Finish Thickness=-, Contact Mating Length=-, Contact Type="Male Pin", Fastening Type=-, Features="Solder Retention", Mounting Type="Surface Mount, Right Angle", Number of Positions=2, Number of Positions Loaded=All, Number of Rows=1, Packaging="Cut Tape (CT)", Pitch="0.079\" (2.00mm)", Pricing="1=0.51, 10=0.474, 100=0.3947, 500=0.31576 (USD)", RoHS="RoHS Compliant", Row Spacing=-, Stock 1=29466, Supplier 1=Digi-Key, Termination=Solder
J16 J17: "THUMB SLIDE JOYSTICK", Manufacturer 1=SparkFun, Manufacturer Part Number 1=COM-09426, Supplier Part Number 1=1568-1848-ND, ComponentLink1Description=https://media.digikey.com/pdf/Data%20Sheets/Sparkfun%20PDFs/COM-09426_Web.pdf, ComponentLink1URL=https://media.digikey.com/pdf/Data%20Sheets/Sparkfun%20PDFs/COM-09426_Web.pdf, Stock 1=0, Supplier 1=Digi-Key
J18: "CONN RCPT .100\" 2POS SNGL HORZ", Color=Black, Manufacturer="Samtec Inc", Manufacturer Part Number=SSM-102-S-SH, Supplier Part Number 1=SAM1151-02-ND, Category="Connectors, Interconnects", ComponentLink1Description=http://www.samtec.com/ftppub/cpdf/SSM-1XX-XXX-XX-XX-XX-X-XX-XX-MKT.pdf, ComponentLink1URL=http://www.samtec.com/ftppub/cpdf/SSM-1XX-XXX-XX-XX-XX-X-XX-XX-MKT.pdf, Connector Type=Receptacle, Contact Finish=Gold, Contact Finish Thickness="30µin (0.76µm)", Contact Type="Female Socket", Fastening Type=-, Features=-, Mounting Type="Through Hole", Number of Positions=2, Number of Positions Loaded=All, Number of Rows=1, Packaging=Tube, Pitch="0.100\" (2.54mm)", Pricing 1="1=0 (USD)", RoHS="RoHS Compliant", Row Spacing=-, Stock 1=0, Supplier 1=Digi-Key, Termination=Solder
J19: library part J_HEADPHONE_JACK, "CONN AUDIO JACK 3.5MM 4COND SMD", Color=Green, Manufacturer="CUI Inc", Manufacturer Part Number=SJ-43516-SMT-GR, Supplier Part Number 1=CP-43516SJGRCT-ND, Category="Connectors, Interconnects", ComponentLink1Description=http://products.cui.com/GetSpecForDigikey.aspx?MFGNum=SJ-43516-SMT, ComponentLink1URL=http://products.cui.com/GetSpecForDigikey.aspx?MFGNum=SJ-43516-SMT, Connector Type="Phone Jack", Features="Board Guide", Gender=Female, Internal Switch(s)="Two Switches", Mounting Type="Surface Mount, Right Angle", Number of Positions/Contacts="4 Conductors, 6 Contacts", Packaging="Cut Tape (CT)", Plug/Mating Plug Diameter="3.50mm (0.141\", 1/8\", Mini Plug) - Headphone", Pricing="1=1.26, 10=0.982, 100=0.749, 500=0.59796 (USD)", RoHS="RoHS Compliant", Shielding=Unshielded, Signal Lines=Stereo, Stock 1=3934, Supplier 1=Digi-Key, Termination=Solder
J20 J21 J22 J23 J24 J25: library part J_GROVE-CONNECTOR-DIP-90D(4P-2.0), Manufacturer 1="Seeed Studio", Manufacturer Part Number 1=110990037, Package=HW4-2.0-90D, Supplier Part Number 1=1597-1083-ND, ComponentLink1Description=http://www.seeedstudio.com/document/pdf/Preface.pdf, ComponentLink1URL=http://www.seeedstudio.com/document/pdf/Preface.pdf, ComponentLink2Description=http://www.mouser.com/ds/2/744/Seeed_316010005-786598.pdf, ComponentLink2URL=http://www.mouser.com/ds/2/744/Seeed_316010005-786598.pdf, LibraryName="Seeed-Connector -2016", Pricing 1="1=1.53 (USD)", Stock 1=714, Supplier 1=Digi-Key, SymbolName_1=GROVE-CONNECTOR-DIP
L1: "2.2µH Shielded Molded Inductor 5A 37.7 mOhm Max", DC Resistance (DCR)="37.7 mOhm Max", Manufacturer="Vishay Dale", Manufacturer Part Number=IHLP2020BZER2R2M11, Operating Temperature="-55°C ~ 125°C", Package / Case=Nonstandard, Q @ Freq=-, Supplier Part Number 1=541-1220-1-ND, Tolerance=±20%, Category="Inductors, Coils, Chokes", ComponentLink1Description=http://www.vishay.com/docs/34261/ihlp2020bz11.pdf, ComponentLink1URL=http://www.vishay.com/docs/34261/ihlp2020bz11.pdf, Height - Seated (Max)="0.079\" (2.00mm)", Material - Core=-, Mounting Type="Surface Mount", Packaging="Cut Tape (CT)", Part Status=Active, Pricing 1="1=2.39, 10=2.208, 100=1.5456, 500=1.2512, 1000=1.1408 (USD)", Ratings=-, RoHS="RoHS Compliant", Shielding=Shielded, Size / Dimension="0.216\" L x 0.204\" W (5.49mm x 5.18mm)", Stock 1=9448, Supplier 1=Digi-Key, Supplier Device Package=-, Type=Molded